# Altium PCB hv_controller.PcbDoc (part 1 of 3) (continued)
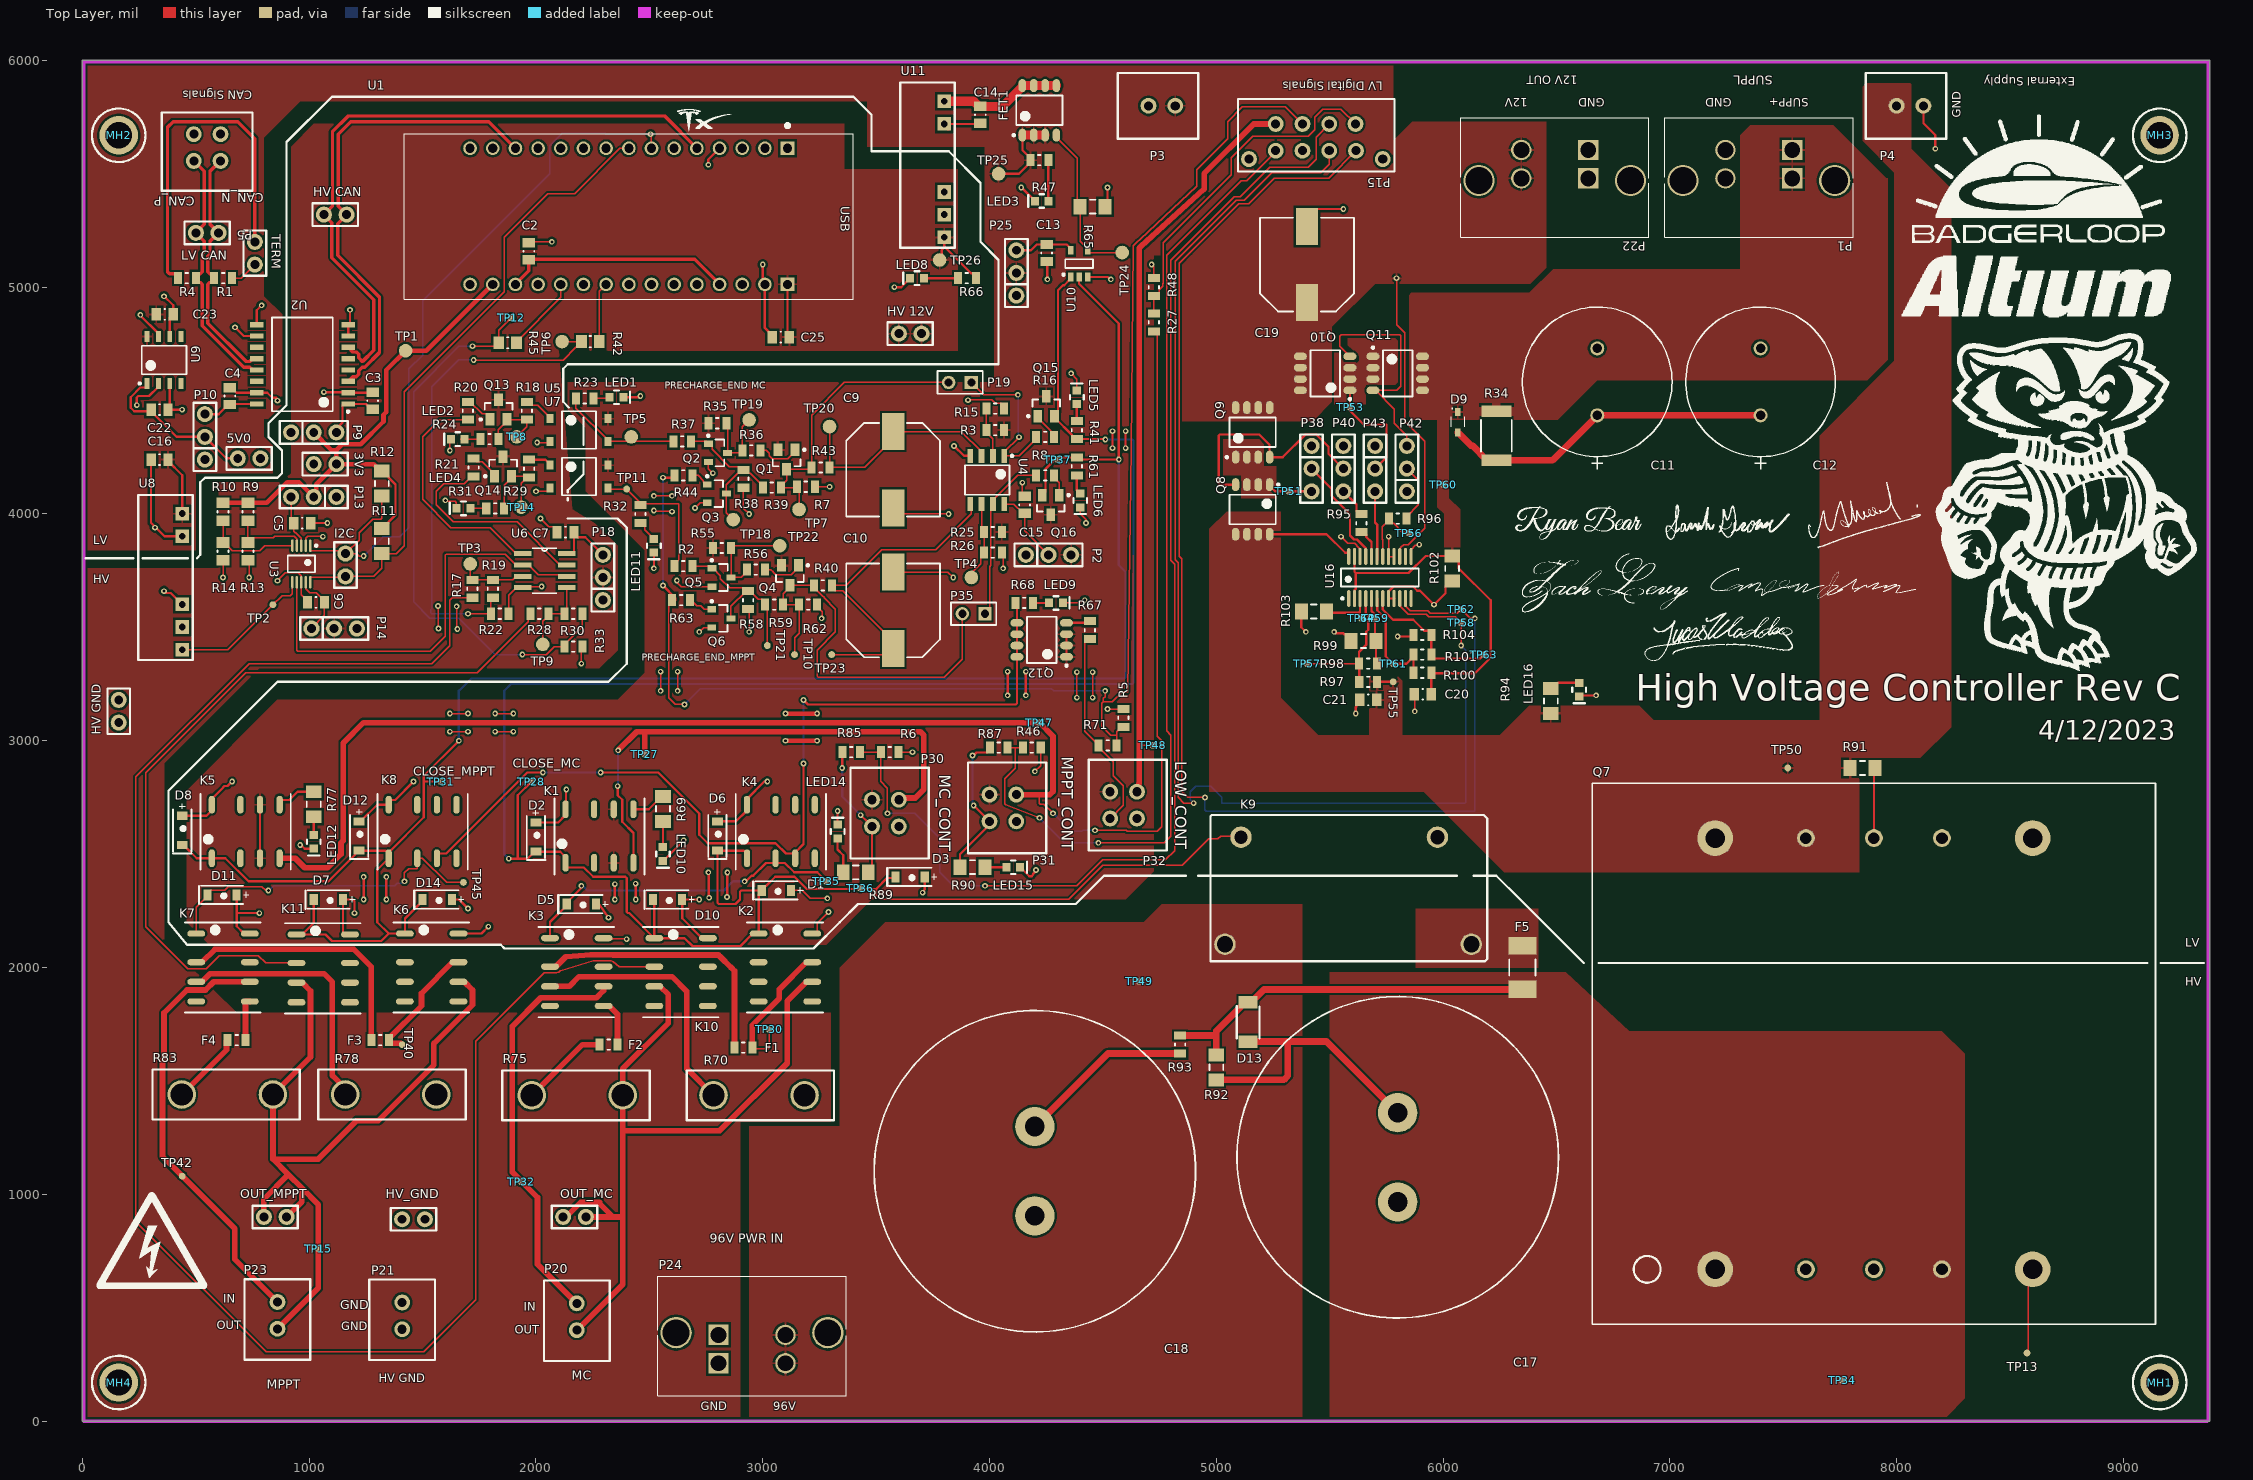
[diagram p0: Top Layer view]
## Components (designator, comment, footprint, x,y, rotation, side; value= is the part's Value field where it differs from the comment) (continued)
HV_GND "Header 2" "Pin Header 1x2 TH Pitch 2.54mm" 1510,890 r180 top
I2C "Header 2" "Pin Header 1x2 TH Pitch 2.54mm" 1160,3725 r90 top
K1 "1-1462039-8" "1-1462039-8 - relay" 2280,2580 r90 top
K2 "1-1462039-8" "1-1462039-8 - relay" 3100,2000 r0 top
K3 "1-1462039-8" "1-1462039-8 - relay" 2180,1980 r0 top
K4 "1-1462039-8" "1-1462039-8 - relay" 3080,2600 r90 top
K5 "1-1462039-8" "1-1462039-8 - relay" 720,2600 r90 top
K6 "1-1462039-8" "1-1462039-8 - relay" 1540,2000 r0 top
K7 "1-1462039-8" "1-1462039-8 - relay" 620,2000 r0 top
K8 "1-1462039-8" "1-1462039-8 - relay" 1500,2600 r90 top
K9 "PCFN-124D2M,000" PCFN-124D2M,000 6124.61,2102.56 r180 top
K10 "1-1462039-8" "1-1462039-8 - relay" 2640,1980 r0 top
K11 "1-1462039-8" "1-1462039-8 - relay" 1061.89,1996.38 r0 top
LED1 "LED RED" "LED 0603 ORANGE" 2355,4515 r0 top
LED2 "LED RED" "LED 0603 ORANGE" 1655,4330 r180 top
LED3 "LED RED" "LED 0603 ORANGE" 4230.51,5380 r180 top
LED4 "LED RED" "LED 0603 ORANGE" 1680,4025 r180 top
LED5 "MPS_CLOSE_MC" "LED 0603 ORANGE" 4385,4515 r90 top
LED6 "MPS_CLOSE_MPPT" "LED 0603 ORANGE" 4400,4060 r270 top
LED8 "LED RED" "LED 0603 ORANGE" 3680,5040 r180 top
LED9 "LED RED" "LED 0603 ORANGE" 4292.93,3607.82 r0 top
LED10 "LED GREEN 0603" "LED 0603 GREEN" 2560,2500 r270 top
LED11 "LED RED" "LED 0603 ORANGE" 2520,3860 r270 top
LED12 "LED GREEN 0603" "LED 0603 GREEN" 1020,2554.48 r270 top
LED14 "LED GREEN 0603" "LED 0603 GREEN" 3330,2600 r90 top
LED15 "LED GREEN 0603" "LED 0603 GREEN" 4104.86,2442.35 r0 top
LED16 "LED GREEN 0603" "LED 0603 GREEN" 6600,3225 r270 top
"LV CAN" "Header 2" "Pin Header 1x2 TH Pitch 2.54mm" 600,5240 r180 top
MH1 "4-40 Mount Hole" MH 9160,170 r0 top
MH2 "4-40 Mount Hole" MH 160,5670 r0 top
MH3 "4-40 Mount Hole" MH 9160,5670 r0 top
MH4 "4-40 Mount Hole" MH 160,170 r0 top
OUT_MC "Header 2" "Pin Header 1x2 TH Pitch 2.54mm" 2120,900 r0 top
OUT_MPPT "Header 2" "Pin Header 1x2 TH Pitch 2.54mm" 900,900 r180 top
P1 "0431604302" CON_431604302_MOL 7540,5480 r180 top
P2 "Header 3" "Pin Header 1x3 TH Pitch 2.54mm" 4160,3820 r0 top
P3 "43045-0227" 43045-0277 4760,5800 r0 top
P4 "43045-0227" 43045-0277 8059.06,5800 r0 top
P5 "43045-0427" 430450427 550,5615 r180 top
P9 "Header 3" "Pin Header 1x3 TH Pitch 2.54mm" 920,4360 r0 top
P10 "Header 3" "Pin Header 1x3 TH Pitch 2.54mm" 540,4240 r90 top
P13 "Header 3" "Pin Header 1x3 TH Pitch 2.54mm" 1120,4075 r180 top
P14 "Header 3" "Pin Header 1x3 TH Pitch 2.54mm" 1010,3495 r0 top
P15 "0430450827" 0430450827 5346,5890 r180 top
P18 "Header 3" "Pin Header 1x3 TH Pitch 2.54mm" 2295,3620 r90 top
P19 "Header 2" HDR1X2 3920,4580 r180 top
P20 "43045-0227" 43045-0277 2180,460 r90 top
P21 "43045-0227" 43045-0277 1410,464.06 r90 top
P22 "0431604302" CON_431604302_MOL 6640,5480 r180 top
P23 "43045-0227" 43045-0277 860,465.94 r90 top
P24 "0431604302" CON_431604302_MOL 2805,380 r0 top
P25 "Header 3" "Pin Header 1x3 TH Pitch 2.54mm" 4118,4963 r90 top
P30 "43045-0427" 430450427 3542,2681 r270 top
P31 "43045-0427" 430450427 4060,2703.62 r270 top
P32 "43045-0427" 430450427 4592,2716 r270 top
P35 "Header 2" HDR1X2 3980,3560 r180 top
P38 "Header 3" "Pin Header 1x3 TH Pitch 2.54mm" 5420,4300 r270 top
P40 "Header 3" "Pin Header 1x3 TH Pitch 2.54mm" 5560,4300 r270 top
P42 "Header 3" "Pin Header 1x3 TH Pitch 2.54mm" 5840,4100 r90 top
P43 "Header 3" "Pin Header 1x3 TH Pitch 2.54mm" 5700,4300 r270 top
Q1 "MMBT3906" FAIR-SOT23-3_V 3105,4240 r270 top
Q2 "MMBT100" SOTFL103P240X110-3N 2737.32,4204.45 r0 top
Q3 "MMBT100" SOTFL103P240X110-3N 2732.68,4025 r0 top
Q4 "MMBT3906" FAIR-SOT23-3_V 3120,3730 r270 top
Q5 "MMBT100" SOTFL103P240X110-3N 2752.68,3655 r0 top
Q6 "MMBT100" SOTFL103P240X110-3N 2752.32,3474.45 r0 top
Q7 "RPA200H-11012SRUW" RPA200H 7900,1620 r90 top
Q8 "RS3L110ATTB1" RS3L110AT 5160,4020 r270 top
Q9 "RS3L110ATTB1" RS3L110AT 5160,4360 r90 top
Q10 "RS3L110ATTB1" RS3L110AT 5480,4620 r180 top
Q11 "RS3L110ATTB1" RS3L110AT 5800,4620 r0 top
Q12 "RS3L110ATTB1" RS3L110AT 4230.12,3444.88 r180 top
Q13 "BSS138" FAIR-SOT23-3_V 1835,4460 r90 top
Q14 "BSS138" FAIR-SOT23-3_V 1855,4210 r90 top
Q15 "BSS138" FAIR-SOT23-3_V 4250,4475 r90 top
Q16 "BSS138" FAIR-SOT23-3_V 4270,4040 r270 top
R1 "ERJ-6ENF60R4V" SMD-0805-RES 620,5040 r180 top value=60.4
R2 "ERJ-6ENF3601V" SMD-0805-RES 2650,3770 r0 top value=3.6k
R3 "6.65k" SMD-0805-RES 4025,4370 r180 top
R4 "ERJ-6ENF60R4V" SMD-0805-RES 460.63,5040 r0 top value=60.4
R5 "2.55k" SMD-0805-RES 4590,3100.63 r90 top
R6 "2.55k" SMD-0805-RES 3560,2950 r0 top
R7 "ERJ-P06F1001V" SMD-0805-RES 3255,4205 r180 top value=1k
R8 "ERJ-P06F1001V" SMD-0805-RES 4245,4170 r180 top value=1k
R9 "Resistor 0R +/- 5% 0805 125 mW" RESC2013X60X35ML10T20 730,4010 r90 top value=0
R10 "Resistor 0R +/- 5% 0805 125 mW" RESC2013X60X35ML10T20 620,4010 r90 top value=0
R11 "ERJ-P08J103V" SMD-1206-RES 1320,3880 r90 top value=10k
R12 "ERJ-P08J103V" SMD-1206-RES 1320,4135 r90 top value=10k
R13 "Resistor 0R +/- 5% 0805 125 mW" RESC2013X60X35ML10T20 730,3835 r90 top value=0
R14 "Resistor 0R +/- 5% 0805 125 mW" RESC2013X60X35ML10T20 620,3835 r90 top value=0
R15 "6.65k" SMD-0805-RES 4025,4465 r0 top
R16 "ERJ-P06F1001V" SMD-0805-RES 4245,4340 r180 top value=1k
R17 "ERJ-6GEYJ752V" SMD-0805-RES 1720,3670 r270 top value=90.9K
R18 "ERJ-P06F1001V" SMD-0805-RES 1960,4455 r90 top value=1k
R19 "ERJ-6GEYJ752V" SMD-0805-RES 1810,3670 r90 top value=7.5k
R20 "10" SMD-0805-RES 1700,4455 r270 top
R21 "10" SMD-0805-RES 1725,4205 r270 top
R22 "ERJ-6GEYJ752V" SMD-0805-RES 1840,3560 r180 top value=2.55K
R23 "ERJ-P06J511V" SMD-0805-RES 2215,4510 r180 top value=510
R24 "ERJ-P06J511V" SMD-0805-RES 1795,4330.37 r0 top value=510
R25 "6.65k" SMD-0805-RES 4015,3920 r180 top
R26 "6.65k" SMD-0805-RES 4015,3830 r0 top
R27 "ERJ-6ENF4702V" SMD-0805-RES 4725,4845 r270 top value=47k
R28 "ERJ-6GEYJ752V" SMD-0805-RES 2015,3560 r180 top value=90.9K
R29 "ERJ-P06F1001V" SMD-0805-RES 1970,4200 r90 top value=1k
R30 "ERJ-6GEYJ752V" SMD-0805-RES 2165,3560 r180 top value=7.5k
R31 "ERJ-P06J511V" SMD-0805-RES 1820,4025 r0 top value=510
R32 "ERJ-P06J511V" SMD-0805-RES 2460,4000 r90 top value=510
R33 "ERJ-6GEYJ752V" SMD-0805-RES 2165,3415 r180 top value=2.55K
R34 "5.6R" FP-RMCF2512-IPC_C 6235,4345 r90 top
R35 "ERJ-P06F1001V" SMD-0805-RES 2800,4400 r180 top value=1k
R36 "ERJ-P06F1001V" SMD-0805-RES 2950,4280 r180 top value=1k
R37 "ERJ-6ENF3601V" SMD-0805-RES 2645,4320 r0 top value=3.6k
R38 "ERJ-6ENF3602V" SMD-0805-RES 2915,4155 r90 top value=36k
R39 "ERJ-P06F1001V" SMD-0805-RES 3040.63,4115.82 r180 top value=1k
R40 "ERJ-P06F1001V" SMD-0805-RES 3265,3685 r180 top value=1k
R41 "ERJ-P06J511V" SMD-0805-RES 4385,4370 r270 top value=510
R42 "Resistor 0R +/- 5% 0805 125 mW" RESC2013X60X35ML10T20 2240,4760 r0 top value=0
R43 "ERJ-6ENF3602V" SMD-0805-RES 3190,4120 r180 top value=36k
R44 "ERJ-P06F1001V" SMD-0805-RES 2650,4170 r180 top value=1k
R45 "Resistor 0R +/- 5% 0805 125 mW" RESC2013X60X35ML10T20 1875,4755 r0 top value=0
R46 "2.55k" SMD-0805-RES 4186.47,2970 r0 top
R47 "ERJ-P06J511V" SMD-0805-RES 4220,5560 r180 top value=510
R48 "ERJ-6ENF1502V" SMD-0805-RES 4725,5000.63 r270 top value=15k
R55 "ERJ-P06F1001V" SMD-0805-RES 2820,3850 r180 top value=1k
R56 "ERJ-P06F1001V" SMD-0805-RES 2970,3755 r180 top value=1k
R58 "ERJ-6ENF3602V" SMD-0805-RES 2935,3620 r90 top value=36k
R59 "ERJ-P06F1001V" SMD-0805-RES 3050,3600 r180 top value=1k
R61 "ERJ-P06J511V" SMD-0805-RES 4385,4210 r90 top value=510
R62 "ERJ-6ENF3602V" SMD-0805-RES 3200,3600 r180 top value=36k
R63 "ERJ-P06F1001V" SMD-0805-RES 2640,3620 r180 top value=1k
R65 "ERJ-8ENF1002V" SMD-1206-RES 4455,5355 r180 top value=10k
R66 "ERJ-P06J511V" SMD-0805-RES 3900,5040 r0 top value=510
R67 "ERJ-P06F1001V" SMD-0805-RES 4442.93,3487.82 r270 top value=1k
R68 "ERJ-P06J511V" SMD-0805-RES 4152.93,3607.82 r180 top value=510
R69 "RMCF1206FT510R" SMD-1206-RES 2560,2700 r270 top
R70 "AP101220RJ" TO-247-2 3184.36,1436.28 r180 top
R71 "3.46K" SMD-0805-RES 4520.63,2980 r0 top
R75 "AP101220RJ" TO-247-2 1981.21,1436.28 r0 top
R77 "RMCF1206FT510R" SMD-1206-RES 1020,2720 r270 top
R78 "AP101220RJ" TO-247-2 1560,1440 r180 top
R83 "AP101220RJ" TO-247-2 438.43,1440 r0 top
R85 "3.46K" SMD-0805-RES 3390,2950 r0 top
R87 "3.46K" SMD-0805-RES 4040.63,2970 r0 top
R89 "RMCF1206FT510R" SMD-1206-RES 3410,2420 r180 top
R90 "RMCF1206FT510R" SMD-1206-RES 3924.86,2442.35 r0 top
R91 "931k" SMD-1206-RES 7850,2880 r180 top
R92 "100R" SMD-1206-RES 5000,1560 r90 top
R93 "3" SMD-0805-RES 4840,1660.63 r90 top
R94 "RMCF1206FT510R" SMD-1206-RES 6475,3175 r90 top
R95 "10" SMD-0805-RES 5640,3960 r90 top
R96 "10" SMD-0805-RES 5800,3980 r0 top
R97 "1MR" SMD-0805-RES 5669.72,3260 r180 top
R98 "37.4kR" SMD-0805-RES 5669.09,3340 r180 top
R99 "73.2k" SMD-1206-RES 5649.09,3440 r0 top
R100 "1MR" SMD-0805-RES 5909.09,3300 r180 top
R101 "14.2kR" SMD-0805-RES 5909.09,3380 r180 top
R102 "3.3k" SMD-1206-RES 6040,3760 r90 top
R103 "255k" SMD-1206-RES 5430,3570 r0 top
R104 "80.6k" SMD-0805-RES 5909.09,3466.78 r0 top
TERM "Header 2" "Pin Header 1x2 TH Pitch 2.54mm" 760,5200 r270 top
TP1 "D3V3" "Test Point"#1 1425,4720 r90 top
TP2 "HV12" "Test Point"#2 840,3600 r90 top
TP3 "MC_OP" "Test Point"#1 1710,3780 r90 top
TP4 "MPPT_CL" "Test Point"#1 3920,3720 r180 top
TP5 "MC_PRC" "Test Point"#1 2420,4340 r90 top
TP6 "MC_ADC" "Test Point"#1 2115,4760 r90 top
TP7 "BJT_OUT" "Test Point"#1 3160,4020 r90 top
TP8 "MC_TH" "Test Point"#1 1915,4340 r90 top
TP9 "MPPT_OP" "Test Point"#1 2030,3425 r270 top
TP10 "BJT_OUT" "Test Point"#2 3140,3380 r90 top
TP11 "MPPT_PRC" "Test Point"#2 2400,4110 r90 top
TP12 "MPPT_ADC" "Test Point"#2 1890,4865 r90 top
TP13 "MPPT_HV" "Test Point"#2 8575,300 r90 top
TP14 "MPPT_TH" "Test Point"#1 1935,4030 r90 top
TP15 "MPPT_HV" "Test Point"#2 1040,760 r90 top
TP18 "MC_LT_I" "Test Point"#1 2870,3975 r90 top
TP19 "MC_LT_D" "Test Point"#1 2940,4415 r90 top
TP20 "MC_CL" "Test Point"#1 3294.37,4385.63 r90 top
TP21 "MPPT_LT_I" "Test Point"#2 3020,3420 r90 top
TP22 "MPPT_LT_D" "Test Point"#1 3075,3860 r90 top
TP23 "MPPT_CL" "Test Point"#2 3303.63,3380 r90 top
TP24 "12V_OFF" "Test Point"#1 4585,5153 r0 top
TP25 "LV_12" "Test Point"#1 4040,5500 r90 top
TP26 "HV12" "Test Point"#1 3780,5120 r180 top
TP27 "TP" "Test Point"#2 2480,2940 r180 top
TP28 "TP" "Test Point"#2 1980,2820 r180 top
TP30 "TP" "Test Point"#2 3027.67,1727.08 r180 top
TP31 "TP" "Test Point"#2 1580,2820 r180 top
TP32 "TP" "Test Point"#2 1935,1055 r180 top
TP34 "TP" "Test Point"#2 7760,180 r90 top
TP35 "TP" "Test Point"#2 3280,2380 r180 top
TP36 "TP" "Test Point"#2 3430,2350 r90 top
TP37 "TP" "Test Point"#2 4300,4240 r90 top
TP40 "TP" "Test Point"#2 1410.35,1660 r180 top
TP42 "TP" "Test Point"#2 440,1080 r180 top
TP45 "TP" "Test Point"#2 1680,2375.27 r180 top
TP47 "TP" "Test Point"#2 4220,3080 r0 top
TP48 "TP" "Test Point"#2 4720,2980 r0 top
TP49 "TP" "Test Point"#2 4660,1940 r90 top
TP50 "TP" "Test Point"#2 7520,2880 r90 top
TP51 "TP" "Test Point"#2 5320,4100 r180 top
TP53 "TP" "Test Point"#2 5590,4470 r180 top
TP55 "TP" "Test Point"#2 5780,3260 r270 top
TP56 "TP" "Test Point"#2 5849,3916 r180 top
TP57 "TP" "Test Point"#2 5400,3340 r270 top
TP58 "TP" "Test Point"#2 6080,3520 r270 top
TP59 "TP" "Test Point"#2 5700,3540 r270 top
TP60 "TP" "Test Point"#2 6000,4130 r90 top
TP61 "TP" "Test Point"#2 5780,3340 r270 top
TP62 "TP" "Test Point"#2 6080,3580 r0 top
TP63 "TP" "Test Point"#2 6180,3380 r270 top
TP64 "TP" "Test Point"#2 5640,3540 r270 top
U1 "NUCLEO-L432KC" NUCLEO-L432KC 3109.37,5612.6 r270 top
U2 "ISO1050DWR" "IL 41050TE" 970,4660 r180 top
U3 "DS3502U+T&R" MAXM-U10+2_L 965,3780 r270 top
U4 "TL072CDR" SOP127P600X175-8N 3990,4150 r270 top
U5 "IS181D" IS181D 2190,4370.37 r0 top
U6 "TLV3702CD" TLV3702CD-Footprint-1 2038,3755 r0 top
U7 "IS181D" IS181D 2190,4165.37 r0 top
U8 "TMV1212S" TMV1212S-Footprint-1 366.38,3720 r270 top
U9 "UA78L05ACDR" D0008A_L 360,4678.73 r90 top
U10 "BU4S81G2-TR" BU4S81G2 4395,5104 r90 top
U11 "TMV1212S" TMV1212S-Footprint-1 3726.38,5538.5 r270 top
U16 "LTC4417HGN#PBF" LT-GN-24_L 5721.69,3720 r90 top

## Footprints (in the part's own frame and the unit in brackets; to place one, negate y for a bottom-side part, rotate by r counter-clockwise, add the part's x,y. Pads: shape width x height; smd on the part's side, far side on the other; paste and mask are expansions set on the pad)
"1-1462039-8 - relay" [mm] "SOIC, 8-Leads, Body 10.00x6.00mm, Pitch 1.27mm, IPC Medium Density"
  oval 2x0.7 smd: 1(-3,3.8) 2(-3,0.6) 3(-3,-1.6) 4(-3,-3.8) 5(3,-3.8) 6(3,-1.6) 7(3,0.6) 8(3,3.8)
  silkscreen extent -4.3,-5.05 4.2,5.05, body extent -3.05,-5.05 3.05,5.05, height 5.65
35YXJ2200M16X25-Footprint-1 [mil]
  round 62 hole 42 mask+0: 1(-145,0) 2(150.28,0)
  silkscreen extent -382,-330 333,330, body extent -322,-325 329,325, height 1064
"0679L9150-05 - fuse smd" [mm] "Chip Diode, 2-Leads, Body 6.10x2.54mm, IPC Medium Density"
  rect 1.96x3.15 smd: 1(-2.455,0) 2(2.455,0)
  silkscreen extent -0.9,-1.47 0.9,1.48, body extent -3.18,-1.39 3.18,1.4, height 2.79
43045-0277 [mil]
  round 70 hole 40: 1(-59.06,0) 2(59.06,0)
  silkscreen extent -195,-145 160,145, body extent -190,-140 155,141, height 195
430450427 [mil]
  round 70 hole 40: 1(59,-60) 2(-59,-60) 3(59,58) 4(-59,58)
  silkscreen extent -200,-155 200,190, body extent -200,-155 200,190, height 195
0430450827 [mil]
  round 70 hole 40: 1(84,170) 2(-34,170) 3(-152,170) 4(-268,170) 5(84,288) 6(-34,288) 7(-152,288) 8(-270,288) ""(-388,325) ""(202,325)
  silkscreen extent -440,60 250,380, body extent -408,75 228,420, height 405
ALA7DA241DE600 [mm]
  round 4.4 hole 2.2: 1(0,0) 2(10,0)
  silkscreen extent -13,-18 23,18, body extent -12.84,-17.7 23.16,18.3, height 45
BU4S81G2 [mm]
  rect 1x0.6 smd: 1(-1.5,0.95) 2(-1.5,0) 3(-1.5,-0.95) 4(1.5,-0.95) 5(1.5,0.95)
  silkscreen extent -1.35,-1.55 0.5,1.87, body extent -0.9,-1.55 0.9,1.55, height 1.25
CAPAE110103X110N [mm] "Aluminum Electrolytic Capacitor, Body 10.30x10.30x11.00mm, IPC Medium Density"
  rect 4.15x2.5 smd: 1(-4.275,0) 2(4.275,0)
  silkscreen extent -5.25,-5.25 5.25,5.25, body extent -5.25,-5.25 5.25,5.25, height 11
CON_431604302_MOL [mm]
  rect 2.28x2.28 / inner round 1.524 / far side rect 2.28x2.28 hole 1.78 paste-1.14 mask+0.076: A1(0,0) A2(0,-3.18)
  round 2.28 / inner round 1.524 / far side round 2.28 hole 1.78 paste-1.14 mask+0.076: B1(7.493,0) B2(7.493,-3.18)
  round 3.5 / inner round 1.524 / far side round 3.5 hole 3 paste-1.75 mask+0.076: M1(-4.75,0.25) M2(12.243,0.25)
  silkscreen extent -6.8,-6.81 14.28,6.58
D0008A_L [mm] "SOIC, 8-Leads, Body 5x4mm, Pitch 1.27mm, IPC High Density"
  rrect18% 1.25x0.55 smd: 1(-2.625,1.905) 2(-2.625,0.635) 3(-2.625,-0.635) 4(-2.625,-1.905) 5(2.625,-1.905) 6(2.625,-0.635) 7(2.625,0.635) 8(2.625,1.905)
  silkscreen extent -2.75,-2.5 1.6,2.85, body extent -3,-2.45 3,2.45, height 1.63
FAIR-SOT23-3_V [mm] "SOT23, 3-Leads, Body 3.12x1.5mm, Pitch 0.95mm"
  rect 1.4x1 smd: 1(-1.1,0.95) 2(-1.1,-0.95) 3(1.1,0)
  silkscreen extent -1.22,-1.55 0.75,2.13, body extent -1.35,-1.56 1.35,1.56, height 1.2
FP-RMCF2512-IPC_C [mil]
  rect 51.35x132.09 smd paste+0 mask+0: 1(-108.31,0) 2(108.31,0)
  silkscreen extent -71,-68 71,68, body extent -138,-72 138,72, height 10
HDR1X2 [mm] "Connector; Header; 2 Position"
  rect 1.5x1.5 hole 0.9: 1(0,0)
  round 1.5 hole 0.9: 2(2.54,0)
  silkscreen extent -1.27,-1.27 3.81,1.27
"IL 41050TE" [mm]
  rect 1.5x0.6 smd: 1(-5.12,4.445) 2(-5.12,3.175) 3(-5.12,1.905) 4(-5.12,0.635) 5(-5.12,-0.635) 6(-5.12,-1.905) 7(-5.12,-3.175) 8(-5.12,-4.445) 9(5.12,-4.445) 10(5.12,-3.175) 11(5.12,-1.905) 12(5.12,-0.635) 13(5.12,0.635) 14(5.12,1.905) 15(5.12,3.175) 16(5.12,4.445)
  silkscreen extent -5.25,-5.25 3.4,5.42, body extent -5.16,-5.25 5.16,5.25, height 2.67
IS181D [mm]
  rect 0.8x1 smd: 1(-3.25,1.27) 2(-3.25,-1.27) 3(3.25,-1.27) 4(3.25,1.27)
  silkscreen extent -1.9,-2.1 1.9,2.1, body extent -2.3,-2.1 2.3,2.1, height 2
"LED 0603 GREEN" [mm] "Chip Diode, 2-Leads, Body 1.60x0.80mm, IPC Medium Density"
  rect 0.9x0.95 smd: 1(-0.775,0) 2(0.775,0)
  silkscreen extent -0.25,-0.76 1.52,0.76, body extent -0.8,-0.4 0.8,0.4, height 0.8
"LED 0603 ORANGE" [mm] "Chip Diode, 2-Leads, Body 1.60x0.80mm"
  rect 0.9x0.95 smd: 1(-0.775,0) 2(0.775,0)
  silkscreen extent -0.25,-0.76 1.52,0.76, body extent -0.8,-0.4 0.8,0.4, height 0.8
LT-GN-24_L [mm] "SOP, 24-Leads, Body 8.7x4mm, Pitch 0.635mm, IPC High Density"
  oval 1.9x0.35 smd: 1(-2.35,3.492) 2(-2.35,2.857) 3(-2.35,2.222) 4(-2.35,1.587) 5(-2.35,0.952) 6(-2.35,0.317) 7(-2.35,-0.318) 8(-2.35,-0.953) 9(-2.35,-1.588) 10(-2.35,-2.222) 11(-2.35,-2.857) 12(-2.35,-3.492) 13(2.35,-3.492) 14(2.35,-2.857) 15(2.35,-2.222) 16(2.35,-1.587) 17(2.35,-0.952) 18(2.35,-0.317) 19(2.35,0.318) 20(2.35,0.953) 21(2.35,1.588) 22(2.35,2.222) 23(2.35,2.857) 24(2.35,3.492)
  silkscreen extent -2.47,-4.35 1,4.35, body extent -2,-4.35 2,4.35, height 1.75
MAXM-U10+2_L [mm] "SOP, 10-Leads, Body 3x3mm, Pitch 0.5mm, IPC High Density"
  oval 1.4x0.25 smd: 1(-2.05,1) 2(-2.05,0.5) 3(-2.05,0) 4(-2.05,-0.5) 5(-2.05,-1) 6(2.05,-1) 7(2.05,-0.5) 8(2.05,0) 9(2.05,0.5) 10(2.05,1)
  silkscreen extent -2.17,-1.52 0.95,1.8, body extent -1.55,-1.55 1.55,1.55, height 1.1
"MBR0520LT1G - SOD123" [mm] "TSSOP, 2-Leads, Body 1.60x2.69mm, Pitch 0.00mm, IPC Medium Density"
  rect 0.91x1.22 smd: 1(-1.64,0) 2(1.64,0)
  silkscreen extent -2.99,-1.02 2.58,1.02, body extent -1.35,-0.85 1.35,0.85, height 1.04
MH [mm] "#10 Mount Hole"
  round 4.3 hole 2.946 unplated: 2(0,0)
  silkscreen extent -3,-3 3,3, body extent -2.32,-2.58 2.32,2.07, height 2.84
NUCLEO-L432KC [mm]
  rect 1.53x1.53 hole 1.02: 3.1(0,0) 4.1(15.24,0)
  round 1.53 hole 1.02: 3.2(0,-2.54) 3.3(0,-5.08) 3.4(0,-7.62) 3.5(0,-10.16) 3.6(0,-12.7) 3.7(0,-15.24) 3.8(0,-17.78) 3.9(0,-20.32) 3.10(0,-22.86) 3.11(0,-25.4) 3.12(0,-27.94) 3.13(0,-30.48) 3.14(0,-33.02) 3.15(0,-35.56) 4.2(15.24,-2.54) 4.3(15.24,-5.08) 4.4(15.24,-7.62) 4.5(15.24,-10.16) 4.6(15.24,-12.7) 4.7(15.24,-15.24) 4.8(15.24,-17.78) 4.9(15.24,-20.32) 4.10(15.24,-22.86) 4.11(15.24,-25.4) 4.12(15.24,-27.94) 4.13(15.24,-30.48) 4.14(15.24,-33.02) 4.15(15.24,-35.56)
  silkscreen extent -2.74,-42.92 16.89,7.36, body extent -5.13,-47.16 19.87,10.84, height 6.96
PCFN-124D2M,000 [mm]
  round 2.4 hole 1.6: 1(3.8,-12)
  round 2.4 hole 1.5: 2(25.8,-12)
  round 2.4 hole 1.8: 3(0,0) 4(27.6,0)
  silkscreen extent -1.78,-14.48 29.21,1.91, body extent -1.48,-14.22 28.92,1.78, height 29
"Pin Header 1x2 TH Pitch 2.54mm" [mm] "PinHeader 1x2 TH Pitch 2.54mm"
  round 1.8 hole 1: 1(0,0) 2(2.54,0)
  silkscreen extent -1.27,-1.27 3.81,1.27, body extent -1.27,-1.27 3.81,1.27, height 9.5
"Pin Header 1x3 TH Pitch 2.54mm" [mm] "PinHeader 1x3 TH Pitch 2.54mm"
  round 1.8 hole 1: 1(0,0) 2(2.54,0) 3(5.08,0)
  silkscreen extent -1.27,-1.27 6.35,1.27, body extent -1.27,-1.27 6.35,1.27, height 9.5
PU3DFSH [mm]
  rect 1.4x2.1 smd: 1(-2.2,0) 2(2.2,0)
  silkscreen extent -1.85,-1.28 1.75,1.28, body extent -1.97,-1.15 1.88,1.15, height 0.9
RESC2013X60X35ML10T20 [mm] "Chip Resistor, 2-Leads, Body 2.1x1.35mm, IPC Low Density"
  rect 1.2x1.45 smd: 1(-1,0) 2(1,0)
  silkscreen extent -0.1,-0.63 0.1,0.63, body extent -1.05,-0.68 1.05,0.67, height 0.6
RPA200H [mm]
  round 4 hole 2.2: 1(-24.15,17.78) 5(-24.15,-17.78) 6(24.15,-17.78) 10(24.15,17.78)
  round 2 hole 1.3: 2(-24.15,7.62) 3(-24.15,0) 4(-24.15,-7.62) 7(24.15,-7.62) 8(24.15,0) 9(24.15,7.62)
  silkscreen extent -30.3,-31.55 30.3,31.55, body extent -30.27,-31.57 30.33,31.57, height 13
RS3L110AT [mm] "SOP, 8-Leads, Body 5.00x3.90mm, Pitch 1.27mm, IPC Medium Density"
  oval 1.45x0.85 smd: 1(-2.775,1.905) 2(-2.775,0.635) 3(-2.775,-0.635) 4(-2.775,-1.905) 5(2.775,-1.905) 6(2.775,-0.635) 7(2.775,0.635) 8(2.775,1.905)
  silkscreen extent -2.9,-2.6 1.65,3, body extent -2.05,-2.6 2.05,2.6, height 1.75
SMD-0805-RES [mm]
  rect 0.9x1.35 smd: 1(-1,0) 2(1,0)
  silkscreen extent -0.15,-0.58 0.15,0.58, body extent -1.1,-0.67 1.1,0.67, height 0.5
SMD-0805C [mm]
  rect 1.05x1.4 smd: 1(-0.95,0) 2(0.95,0)
  silkscreen extent -0.05,-0.6 0.05,0.6, body extent -1.1,-0.67 1.1,0.67, height 0.5
SMD-1206-RES [mm]
  rect 1.45x1.75 smd: 1(-1.4,0) 2(1.4,0)
  silkscreen extent -0.3,-0.77 0.3,0.77, body extent -1.78,-0.87 1.78,0.87, height 0.5
SODFL250X110-2N [mm] "SODFL, 2-Leads, Body 1.30x2.50mm, IPC Medium Density"
  rect 0.9x0.65 smd: 1(-1.15,0) 2(1.15,0)
  silkscreen extent -0.51,-0.76 1.57,0.76, body extent -1.25,-0.7 1.25,0.7, height 1.1
SOP127P600X175-8N [mm] "SOP, 8-Leads, Body 4.91x3.90mm, Pitch 1.27mm, IPC Medium Density"
  rect 1.55x0.65 smd: 1(-2.7,1.905) 2(-2.7,0.635) 3(-2.7,-0.635) 4(-2.7,-1.905) 5(2.7,-1.905) 6(2.7,-0.635) 7(2.7,0.635) 8(2.7,1.905)
  silkscreen extent -2.82,-2.5 1.65,2.91, body extent -3,-2.5 3,2.5, height 1.75
SOTFL103P240X110-3N [mm]
  rect 1x0.7 smd: 1(0.576,2.681) 2(0.576,0.621) 3(2.726,1.651)
  silkscreen extent 0.45,0.15 2.35,3.71, body extent 0.45,0.15 2.85,3.15, height 1.1
"Test Point"#1 [mil] "SMD Test Point"
  round 60 smd: 1(0,0)
"Test Point"#2 [mil] "SMD Test Point"
  round 30 smd: 1(0,0)
TLV3702CD-Footprint-1 [mil]
  rect 78x22 smd: 1(-97,70) 2(-97,20) 3(-97,-30) 4(-97,-80) 5(97,-80) 6(97,-30) 7(97,20) 8(97,70)
  silkscreen extent -54,-104 54,94, body extent -122,-104 122,94, height 69
TMV1212S-Footprint-1 [mil]
  rect 60x60 hole 30: 1(-281.5,73.62) 2(-181.5,73.62) 5(118.5,73.62) 6(218.5,73.62) 7(318.5,73.62)
  silkscreen extent -364,-120 364,120, body extent -360,-115 360,115, height 402
TO-247-2 [mm]
  round 3.2 hole 2.5: 1(0,0) 2(10.2,0)
  silkscreen extent -3.3,-2.79 13.21,2.79, body extent -3.02,-2.54 12.93,2.49, height 26

## Part data
3V3 5V0 "HV 12V" "HV CAN" "HV GND" HV_GND I2C "LV CAN" OUT_MC OUT_MPPT TERM: library part CMP-002-00072-1, "Header, 2-Pin", Design Item ID="Header 2", LatestRevisionDate=17-Jul-2002, LatestRevisionNote="Re-released for DXP Platform.", Publisher="Altium Limited", Source=connector.SchLib, Type=Connector
C2 C3 C4 C5 C6 C7 C13 C14 C15 C16 C25: library part CMP-001-00205-1, "CAP CER 10UF 10V X7R 0805", Digi-Key Part Number=490-10674-1-ND, Manufacturer="Murata Electronics North America", Operating Temperature="-55°C ~ 125°C", Package / Case="0805 (2012 Metric)", Ratings=AEC-Q200, Temperature Coefficient=X7R, Tolerance=10%, Voltage=10V, @ qty=0, Applications=Automotive, Datasheets=http://www.murata.com/~/media/webrenewal/support/library/catalog/products/capacitor/mlcc/c03e.ashx, Design Item ID=GCM21BR71A106KE22L, Factory Stock=0, Features=-, Height - Seated (Max)=-, Image=//media.digikey.com/photos/Murata%20Photos/NCP,GCM%20SERIES%200805.jpg, Lead Spacing=-, Lead Style=-, Minimum Quantity=1, Mounting Type="Surface Mount, MLCC", Packaging="Cut Tape (CT)", Part Number=GCM21BR71A106KE22L, Part Status=Active, Quantity Available=125344, Series=GCM, Source=capacitors.SchLib, Unit Price (USD)=0.49
C9 C10 C19: "Aluminum Organic Polymer Capacitors 25V 330uf", Capacitance=330µF, ComponentLink1Description=Link, ComponentLink1URL=https://www.mouser.com/ProductDetail/Nichicon/GYB1E331MCW1GS?qs=sGAEpiMZZMvwFf0viD3Y3a3yb5D6sPUgteTcG6zlWVz7Qxll6G9Nxw%3D%3D
C11 C12: library part CMP-001-00497-1, "Aluminum Electrolytic Capacitor, Polarized, Aluminum (wet), 35V, 20% +Tol, 20% -Tol, 2200uF", Capacitor Type=Aluminium, Max Operating Temperature=105°C, Min Operating Temperature=-40°C, Ripple Current=2.93A, RoHS Compliant=Yes
C17: library part ALC70A102DD250, "CAP ALUM 1000UF 20% 250V SNAP", Manufacturer=KEMET, Supplier Part Number 1=399-19601-ND, Manufacturer Part Number=ALC70A102DD250, Pricing 1="1=8.59000, 10=7.63400, 50=6.67940, 100=6.10700, 500=5.24818, 1000=4.86649, 2500=4.83468 (USD)", RoHS=Yes, Stock 1=897, Supplier 1=Digi-Key
C18: "CAP ALUM 240UF 20% 600V SNAP", Capacitance=240, ComponentLink1Description=https://www.digikey.com/en/products/detail/kemet/ALA7DA241DE600/13676315, Manufacturer Part Number=ALA7DA241DE600
C20 C21: library part GCJ21BR71H104KA01L, "CAP CER 0.1UF 50V X7R 0805", Digi-Key Part Number=490-5803-1-ND, Manufacturer="Murata Electronics North America", Operating Temperature="-55°C ~ 125°C", Package / Case="0805 (2012 Metric)", Ratings=AEC-Q200, Temperature Coefficient=X7R, Tolerance=±10%, Voltage=50V, @ qty=0, Applications="Automotive, Boardflex Sensitive", Datasheets=http://www.murata.com/~/media/webrenewal/support/library/catalog/products/capacitor/mlcc/c03e.ashx, Factory Stock=0, Features="Soft Termination", Height - Seated (Max)=-, Image=//media.digikey.com/Renders/Murata%20Renders/0805%20(2012%20Metric)%20.85mm.jpg, Lead Spacing=-, Lead Style=-, Minimum Quantity=1, Mounting Type="Surface Mount, MLCC", Packaging="Cut Tape (CT)", Part Number=GCJ21BR71H104KA01L, Part Status=Active, Quantity Available=700, Series=GCJ, Size / Dimension="0.079\" L x 0.049\" W (2.00mm x 1.25mm)", Thickness (Max)="0.057\" (1.45mm)", Unit Price (USD)=0.24
C22: library part CGA4J3X7T2E104K125AA, "Cap Ceramic 0.1uF 250V X7T 10% SMD 0805 125°C Blister Plastic T/R", Capacitance=100nF, Case Code (Imperial)=0805, Case Code (Metric)=2012, Dielectric=X7T, Manufacturer=TDK, Max Operating Temperature=125°C, Min Operating Temperature=-55°C, Package Quantity=2000, Ratings=AEC-Q200, Resistor Type=Ceramic, Tolerance=10%, Voltage Rating=250V, Case/Package=0805, Category="Ceramic Capacitors", ComponentLink1Description=https://datasheet.ciiva.com/22703/1807242-22703721.pdf?src-supplier=Element14, ComponentLink1URL=https://datasheet.ciiva.com/22703/1807242-22703721.pdf?src-supplier=Element14, Construction=Flat, Depth=1.25mm, Height=1.25mm, Length=2mm, Manufacturer Part Number=CGA4J3X7T2E104K125AA, Mount="Surface Mount", Packaging="Tape and Reel", Pricing 1="1=0.33000, 10=0.22600, 50=0.15820, 100=0.13560, 500=0.10172, 1000=0.08590 (USD)", Radiation Hardening=No, REACH SVHC="No SVHC", RoHS=Yes, RoHS Compliant=Yes, Series=CGA, Stock 1=335314, Supplier 1=Digi-Key, Supplier Part Number 1=0.1uF, Termination=SMD/SMT, Thickness=0.057inch, Voltage Rating (DC)=250V, Weight=0.000194oz, Width=1.25mm
C23: library part GRM21AR72A334KAC5L, "CAP CER 0.33UF 100V X7R 0805", Digi-Key Part Number=490-6462-1-ND, Manufacturer="Murata Electronics North America", Operating Temperature="-55°C ~ 125°C", Package / Case="0805 (2012 Metric)", Ratings=-, Temperature Coefficient=X7R, Tolerance=±10%, Voltage=100V, @ qty=0, Applications="General Purpose", Datasheets=http://www.murata.com/~/media/webrenewal/support/library/catalog/products/capacitor/mlcc/c02e.pdf, Factory Stock=0, Features=-, Height - Seated (Max)=-, Image=//media.digikey.com/Renders/Murata%20Renders/0805%20(2012%20Metric)%20.85mm.jpg, Lead Spacing=-, Lead Style=-, Minimum Quantity=1, Mounting Type="Surface Mount, MLCC", Packaging="Cut Tape (CT)", Part Number=GRM21AR72A334KAC5L, Part Status=Active, Quantity Available=80183, Series=GRM, Size / Dimension="0.079\" L x 0.049\" W (2.00mm x 1.25mm)", Thickness (Max)="0.039\" (1.00mm)", Unit Price (USD)=0.47
D1 D2 D3 D5 D6 D7 D8 D10 D11 D12 D14: "Rectifier Diode, Schottky, 1 Phase, 1 Element, 0.5A, 20V V(RRM), Silicon", Forward Voltage-Max (VF)=300mV, Manufacturer=MCC, Max Operating Temperature=125°C, Max Output Current=500mA, Max Power Dissipation=410mW, Non-rep Pk Forward Current-Max=5.5A, Package Body Material=Plastic, Package Shape=Rectangular, Package Style="SMALL OUTLINEMeter", Peak Reflow Temperature (Cel)=260°C, Rep Pk Reverse Voltage-Max=20V, Supplier Part Number 1=MBR0520L-TPMSCT-ND, Time @ Peak Reflow Temperature-Max (s)=10s, Category="Rectifier Diodes", ComponentLink1Description=https://datasheet.ciiva.com:443/pdfs/VipMasterIC/IC/MCCC/MCCC-S-A0007607609/MCCC-S-A0007607609-1.pdf?src-supplier=IHS+Markit, ComponentLink1URL=https://datasheet.ciiva.com:443/pdfs/VipMasterIC/IC/MCCC/MCCC-S-A0007607609/MCCC-S-A0007607609-1.pdf?src-supplier=IHS+Markit, ComponentLink2Description=https://datasheet.ciiva.com/24106/mbr0520lmbr0540lsod-123-276512-24106653.pdf?src-supplier=Mouser, ComponentLink2URL=https://datasheet.ciiva.com/24106/mbr0520lmbr0540lsod-123-276512-24106653.pdf?src-supplier=Mouser, ComponentLink3Description=https://datasheet.ciiva.com/6381/mbr0520lmbr0540lsod-123-6381109.pdf?src-supplier=Digi-Key, ComponentLink3URL=https://datasheet.ciiva.com/6381/mbr0520lmbr0540lsod-123-6381109.pdf?src-supplier=Digi-Key, Diode Element Material=SILICON, Diode Type=RECTIFIER, JESD-30 Code=R-PDSO-G2, JESD-609 Code=e3, Manufacturer Part Number=MBR0520L-TP, Moisture Sensitivity Level=1, Number of Elements=1, Number of Pins=2, Pricing 1="1=0.52000, 10=0.38700, 100=0.21930, 500=0.14520, 1000=0.11132 (USD)", Qualification Status="Not Qualified", REACH SVHC=Yes, RoHS=Yes, RoHS Compliant=Yes, Stock 1=75810, Supplier 1=Digi-Key, Surface Mount=Yes, Technology=SCHOTTKY, Terminal Finish=Tin, Terminal Form="Gull Wing", Terminal Position=DUAL
D9: library part CMP-004-00041-1, "Diode Schottky 40V 1A 2-Pin SOD-323 T/R", Average Rectified Current=1A, Forward Voltage=620mV, Manufacturer=Diodes, Max Forward Surge Current (Ifsm)=3A, Max Operating Temperature=125°C, Max Repetitive Reverse Voltage (Vrrm)=40V, Max Reverse Current=50uA, Min Operating Temperature=-40°C, Natural Thermal Resistance=426°C/W, Package Quantity=3000, ComponentLink1Description=http://www.mouser.com/ds/2/115/ds31543-56649.pdf?src-supplier=Mouser, ComponentLink1URL=http://www.mouser.com/ds/2/115/ds31543-56649.pdf?src-supplier=Mouser, ComponentLink2Description=http://www.diodes.com//datasheets/ds31543.pdf?src-supplier=Avnet+Europe, ComponentLink2URL=http://www.diodes.com//datasheets/ds31543.pdf?src-supplier=Avnet+Europe, ComponentLink3Description=http://www.diodes.com/datasheets/ds31543.pdf?src-supplier=Digi-Key, ComponentLink3URL=http://www.diodes.com/datasheets/ds31543.pdf?src-supplier=Digi-Key, Contact Plating=Tin,Matte, Design Item ID=B140WS-7, Element Configuration=Single, Forward Current=1A, Height=1.1mm, Length=1.8mm, Max Reverse Voltage (DC)=40V, Mount="Surface Mount", Packaging="Tape and Reel", Peak Non-Repetitive Surge Current=3A, Pins=2, Pricing 1="1=0.41, 10=0.293, 100=0.1476, 500=0.13076, 1000=0.10176 (USD)", RoHS Compliant=Yes, Series=-, Source=misc.SchLib, Stock 1=38792, Weight=0.000173oz, Width=1.4mm
D13: "Diode Standard 200 V 3A (DC) Surface Mount SOD-128", ComponentLink1Description="Digikey Link", ComponentLink1URL=https://www.digikey.com/en/products/detail/taiwan-semiconductor-corporation/PU3DFSH/15517034
F1 F2 F3 F4: "Electric Fuse, Very Fast Blow, 5A, 32VDC, 50A (IR), Surface Mount", Current Rating=5A, Manufacturer=Vishay, Max Operating Temperature=35°C, Min Operating Temperature=15°C, Rated Breaking Capacity=50A, Supplier Part Number 1=MFU08055.00CT-ND, Voltage Rating (DC)=32V, Blow Characteristic="VERY FAST", Body Breadth=1.25inch, Body Height=0.45mm, Body Length or Diameter=2mm, Category=Fuses, Circuit Protection Type="Electric Fuse", ComponentLink1Description=https://datasheet.ciiva.com:443/pdfs/VipMasterIC/IC/VISH/VISH-S-A0001809179/VISH-S-A0001809179-1.pdf?src-supplier=IHS+Markit, ComponentLink1URL=https://datasheet.ciiva.com:443/pdfs/VipMasterIC/IC/VISH/VISH-S-A0001809179/VISH-S-A0001809179-1.pdf?src-supplier=IHS+Markit, ComponentLink2Description=https://datasheet.ciiva.com/1730/mfuserie-1730720.pdf?src-supplier=Newark, ComponentLink2URL=https://datasheet.ciiva.com/1730/mfuserie-1730720.pdf?src-supplier=Newark, ComponentLink3Description=https://datasheet.ciiva.com/11337/mfuserie-11337721.pdf?src-supplier=Avnet, ComponentLink3URL=https://datasheet.ciiva.com/11337/mfuserie-11337721.pdf?src-supplier=Avnet, ComponentLink4Description=https://datasheet.ciiva.com/8057/1480005-8057917.pdf?src-supplier=Element14, ComponentLink4URL=https://datasheet.ciiva.com/8057/1480005-8057917.pdf?src-supplier=Element14, ComponentLink5Description=https://datasheet.ciiva.com/22734/1480005-22734093.pdf?src-supplier=Element14, ComponentLink5URL=https://datasheet.ciiva.com/22734/1480005-22734093.pdf?src-supplier=Element14, ComponentLink6Description=https://datasheet.ciiva.com/17414/mfuserie-17414775.pdf?src-supplier=Avnet+Europe, ComponentLink6URL=https://datasheet.ciiva.com/17414/mfuserie-17414775.pdf?src-supplier=Avnet+Europe, ComponentLink7Description=https://datasheet.ciiva.com/1730/mfuserie-1730721.pdf?src-supplier=Newark, ComponentLink7URL=https://datasheet.ciiva.com/1730/mfuserie-1730721.pdf?src-supplier=Newark, JESD-609 Code=e3, Joule-integral-Nom=0.2275J, Manufacturer Part Number=MFU0805FF05000P100, Mount="Surface Mount", Packaging="Tape and Reel", Pricing 1="1=0.49000, 5=0.47600, 10=0.46200, 50=0.38880, 100=0.32270, 250=0.29340, 500=0.24940 (USD)", REACH SVHC=Yes, Reference Standard=UL, RoHS=Yes, RoHS Compliant=Yes, Stock 1=50547, Supplier 1=Digi-Key, Terminal Finish=Tin, Termination=Wraparound
F5: Manufacturer=Bel, Supplier Part Number 1=507-2000-1-ND, Category=Fuses, ComponentLink1Description=https://datasheet.ciiva.com:443/pdfs/VipMasterIC/IC/BELF/BELF-S-A0001301144/BELF-S-A0001301144-1.pdf?src-supplier=IHS+Markit, ComponentLink1URL=https://datasheet.ciiva.com:443/pdfs/VipMasterIC/IC/BELF/BELF-S-A0001301144/BELF-S-A0001301144-1.pdf?src-supplier=IHS+Markit, ComponentLink2Description=http://www.belfuse.com/resources/CircuitProtection/datasheets/0679L%20Sep2016.pdf?src-supplier=Digi-Key, ComponentLink2URL=http://www.belfuse.com/resources/CircuitProtection/datasheets/0679L%20Sep2016.pdf?src-supplier=Digi-Key, ComponentLink3Description=https://www.belfuse.com/resources/CircuitProtection/datasheets/0679L%20Sep2016.pdf?src-supplier=Digi-Key, ComponentLink3URL=https://www.belfuse.com/resources/CircuitProtection/datasheets/0679L%20Sep2016.pdf?src-supplier=Digi-Key, Manufacturer Part Number=0679L9150-05, Pricing 1="1=0.44000, 5=0.42600, 10=0.41400, 50=0.34800, 100=0.28890, 250=0.26260, 500=0.22320, 1000=0.19695 (USD)", RoHS=Yes, Stock 1=24804, Supplier 1=Digi-Key
FET1: library part CMP-008-000012-3, "Transistor MOSFET P-Channel -60V ±11A 8-Pin SOP T/R", Transistor Type="P-channel MOSFET"
K1 K2 K3 K4 K5 K6 K7 K8 K10 K11: "Electromechanical Relay, DPDT, 140mW (Coil), 5A (Contact), 220VDC (Contact), Random, AC/DC Output", Coil Operate Voltage(DC)=9V, Coil Power=140mW, Coil Release Voltage(DC)=1.2V, Coil Resistance=1.029kR, Coil Voltage-Nom=12V, Contact AC Max Power Rating R Load=62.5VA@250VAC, Contact AC Max Rating R Load=5A@250VAC, Contact Current(AC)-Max=5A, Contact DC Max Power Rating R Load=60W@220VDC, Contact DC Max Rating R Load=5A@220VDC, Contact Resistance=50mR, Contact Voltage(AC)-Max=250V, Contact Voltage(DC)-Max=220V, Dielectric Strength Between Coil and Contacts=1500Vrms, Dielectric Strength Between Open Contacts=750Vrms, Insulation Resistance=1GR, Manufacturer="TE Connectivity", Manufacturer Part Number=IM06DGR, Supplier Part Number 1=PB1174CT-ND, Body Breadth=6inch, Body Height=5.65mm, Body Length or Diameter=10mm, Category="Power Relays", Coil/Input Supply Type=DC, ComponentLink1Description=https://datasheet.ciiva.com:443/pdfs/VipMasterIC/IC/TYEL/TYELS75403/TYELS75403-1.pdf?src-supplier=IHS+Markit, ComponentLink1URL=https://datasheet.ciiva.com:443/pdfs/VipMasterIC/IC/TYEL/TYELS75403/TYELS75403-1.pdf?src-supplier=IHS+Markit, ComponentLink2Description=https://datasheet.ciiva.com/1662/13778-1662593.pdf?src-supplier=Newark, ComponentLink2URL=https://datasheet.ciiva.com/1662/13778-1662593.pdf?src-supplier=Newark, ComponentLink3Description=https://datasheet.ciiva.com/1525/1717896-1525047.pdf?src-supplier=Element14, ComponentLink3URL=https://datasheet.ciiva.com/1525/1717896-1525047.pdf?src-supplier=Element14, ComponentLink4Description=https://datasheet.ciiva.com/1612/1717896-1612285.pdf?src-supplier=Farnell, ComponentLink4URL=https://datasheet.ciiva.com/1612/1717896-1612285.pdf?src-supplier=Farnell, ComponentLink5Description=https://datasheet.ciiva.com/30159/customerdrawing1462037-4a10-30159339.pdf?src-supplier=Onlinecomponents.com, ComponentLink5URL=https://datasheet.ciiva.com/30159/customerdrawing1462037-4a10-30159339.pdf?src-supplier=Onlinecomponents.com, ComponentLink6Description=https://datasheet.ciiva.com/22697/1717896-22697038.pdf?src-supplier=Element14, ComponentLink6URL=https://datasheet.ciiva.com/22697/1717896-22697038.pdf?src-supplier=Element14, Contact Current(DC)-Max=5A, Contact/Output Supply Type=AC/DC, End Contact Material=Silver, End Contact Plating=Gold, Input Switching Control Type=Random, Number of Pins=8, Operate Time=3ms, Packaging="Tape and Reel", Pricing 1="1=5.59000, 10=5.24500, 25=4.66200, 50=4.42880, 100=4.19580, 250=3.72960, 500=3.49650 (USD)", REACH SVHC="No SVHC", Reference Standard=UL, Relay Form="2 FORM C", Relay Function=DPDT, RoHS=No, RoHS Compliant=No, Sealing=HERMETICAL, Stock 1=35148, Supplier 1=Digi-Key, Termination=Solder, Weight=0.75g
K9: library part CMP-034-000000-1, "RELAY, PCB, SPST-NO, 24VDC, 25A", Coil Current=37.5mA, Coil Power=1W, Coil Resistance=640R, Coil Voltage (DC)=24V, Contact Current Rating=25A, Contact Voltage Rating (AC)=277V, Manufacturer="TE Connectivity", Max Operating Temperature=55°C, Min Operating Temperature=-30°C, Package Quantity=500, Approvals=UL,VDE, Coil Type=Non-Latching, ComponentLink1Description=http://www.farnell.com/cad/1652771.pdf?src-supplier=Element14, ComponentLink1URL=http://www.farnell.com/cad/1652771.pdf?src-supplier=Element14, ComponentLink2Description=http://www.farnell.com/datasheets/2043483.pdf?src-supplier=Farnell, ComponentLink2URL=http://www.farnell.com/datasheets/2043483.pdf?src-supplier=Farnell, ComponentLink3Description=https://www.te.com/commerce/DocumentDelivery/DDEController?Action=srchrtrv&DocNm=PCFN_solar_relay_datasheet&DocType=DS&DocLang=English, ComponentLink3URL=https://www.te.com/commerce/DocumentDelivery/DDEController?Action=srchrtrv&DocNm=PCFN_solar_relay_datasheet&DocType=DS&DocLang=English, Contact Material=Tin,Silver, Current Rating=25A, Depth=16mm, Design Item ID=PCFN-124D2M,000, ELV=Compliant, Height=1.043inch, Length=30.4mm, Manufacturer Part Number=PCFN-124D2M,000, Mount="Through Hole,PCB", Operate Time=20ms, Packaging=Rail/Tube, Pricing 1="1=3.7, 10=3.473, 25=3.0872, 50=2.9326, 100=2.7783, 250=2.4696, 500=2.31526, 1000=2.1609 (USD)", REACH SVHC=Unknown, Relay Type="General Purpose", Release Time=10ms, Source=misc.SchLib, Stock 1=401, Termination=PCB, Throw Configuration=SPST, Voltage Rating (DC)=24V, Weight=28g, Width=0.63inch
LED1 LED2 LED3 LED4 LED5 LED6 LED8 LED9 LED11: library part CMP-040-000018-1, "A-0603UOC", Color=ORANGE, Manufacturer="Lighthouse LEDs", Package / Case=0603, Availability="In Stock", ComponentLink1Description=Manufacturer, ComponentLink1URL=https://lighthouseleds.com/0603-smd-led-orange-ultra-bright-170-mcd.html, Datasheets=https://lighthouseleds.com/downloads/dl/file/id/11/0603_orange_amber_smd_led_datasheet.pdf, Design Item ID="LED ORANGE 0603", Manufacturer P/N=A-0603UOC, Minimum Quantity=1, Source=misc.SchLib
LED10 LED12 LED14 LED15 LED16: Color=GREEN, Manufacturer="Lite-On Inc.", Manufacturer P/N=LTST-C190KGKT, Package / Case=0603, Digikey P/N=160-1435-1-ND
MH1 MH2 MH3 MH4: library part CMP-008-000006-1, Design Item ID="4-40 Mount Hole", Source=misc.SchLib
P1 P22 P24: library part CMP-008-000054-1, "Rectangular Power Connector, 2 Contact(s), Male, Solder Terminal"
P2 P9 P10 P13 P14 P18 P25 P38 P40 P42 P43: library part CMP-002-00073-1, "Header, 3-Pin", Design Item ID="Header 3", LatestRevisionDate=17-Jul-2002, LatestRevisionNote="Re-released for DXP Platform.", Publisher="Altium Limited", Source=connector.SchLib, Type=Connector
P3 P4: "Board Connector, 2 Contact(s), 2 Row(s), Male, Straight, Solder Terminal, Locking, Black Insulator, Receptacle", Contact Resistance=10mR, Flammability Rating="UL94 V-0", Insulation Color=Black, Insulation Resistance=1GR, Manufacturer=Molex, Max Operating Temperature=105°C, Min Operating Temperature=-40°C, Rated Current (Signal)=2.5A, Supplier Part Number 1=WM10657-ND, Board Mounting Option=PEG, Body Breadth=0.29inch, Body Depth=0.39inch, Body Length=0.262inch, Body/Shell Style=RECEPTACLE, Category="Headers and Wire Housings", ComponentLink1Description=https://datasheet.ciiva.com:443/pdfs/VipMasterIC/IC/MOLE/MOLE-S-A0001360181/MOLE-S-A0001399497-1.pdf?src-supplier=IHS+Markit, ComponentLink1URL=https://datasheet.ciiva.com:443/pdfs/VipMasterIC/IC/MOLE/MOLE-S-A0001360181/MOLE-S-A0001399497-1.pdf?src-supplier=IHS+Markit, ComponentLink2Description=https://datasheet.ciiva.com/5148/0430450227-pcb-headers-142611-5148694.pdf?src-supplier=Mouser, ComponentLink2URL=https://datasheet.ciiva.com/5148/0430450227-pcb-headers-142611-5148694.pdf?src-supplier=Mouser, ComponentLink3Description=https://datasheet.ciiva.com/16103/307170430450227-pcb-headers-16103122.pdf?src-supplier=Onlinecomponents.com, ComponentLink3URL=https://datasheet.ciiva.com/16103/307170430450227-pcb-headers-16103122.pdf?src-supplier=Onlinecomponents.com, ComponentLink4Description=https://datasheet.ciiva.com/11752/0900766b80d4a80b-11752890.pdf?src-supplier=RSComponents, ComponentLink4URL=https://datasheet.ciiva.com/11752/0900766b80d4a80b-11752890.pdf?src-supplier=RSComponents, ComponentLink5Description=https://datasheet.ciiva.com/30256/212010430450227-pcb-headers-30256881.pdf?src-supplier=Onlinecomponents.com, ComponentLink5URL=https://datasheet.ciiva.com/30256/212010430450227-pcb-headers-30256881.pdf?src-supplier=Onlinecomponents.com, ComponentLink6Description=https://datasheet.ciiva.com/16725/0430450227-pcb-headers-16725483.pdf?src-supplier=Avnet+Europe, ComponentLink6URL=https://datasheet.ciiva.com/16725/0430450227-pcb-headers-16725483.pdf?src-supplier=Avnet+Europe, ComponentLink7Description=https://datasheet.ciiva.com/10089/0430450227-pcb-headers-10089453.pdf?src-supplier=Avnet, ComponentLink7URL=https://datasheet.ciiva.com/10089/0430450227-pcb-headers-10089453.pdf?src-supplier=Avnet, Connector Type="BOARD CONNECTOR", Contact Finish - Mating="TIN (100) OVER NICKEL", Contact Finish - Termination="TIN (100) OVER NICKEL", Contact Gender=Male, Contact Material=Brass, Contact Style="SQ PIN-SKT", DIN Conformance=No, Filter Feature=No, IEC Conformance=No, Insertion Force-Max=8.0064N, Insulation Material=Polymer, JESD-609 Code=e3, Manufacturer Part Number=43045-0227, Mating Information="MULTIPLE MATING PARTS AVAILABLE", MIL Conformance=No, Mixed Contacts=No, Mount=Board, Mounting Option 1=LOCKING, Mounting Style=STRAIGHT, Number Of Connectors=1, Number of Contacts=2, Number of Rows Loaded=2, Option="General Purpose", Plating Thickness=6uin, Pricing 1="1=0.97000, 10=0.80600, 80=0.67200, 945=0.53760, 2400=0.48720 (USD)", REACH SVHC=Yes, Reference Standard=UL, Reliability=COMMERCIAL, RoHS=Yes, RoHS Compliant=Yes, Stock 1=12970, Supplier 1=Digi-Key, Terminal Length=0.125inch, Terminal Pitch=3mm, Termination=Solder, Throw Configuration=S0P2, Withdrawl Force-Min=3.5584N